# Altium PCB PCB1.PcbDoc (part 2 of 2)
Units mil, origin at the board's own origin, x right, y up, seen from the top; angles counter-clockwise.
Board outline 3140 x 3140 mil, 2 copper layers (Top Layer, Bottom Layer); 52 components, 59 nets, 367 pads, 222 vias.
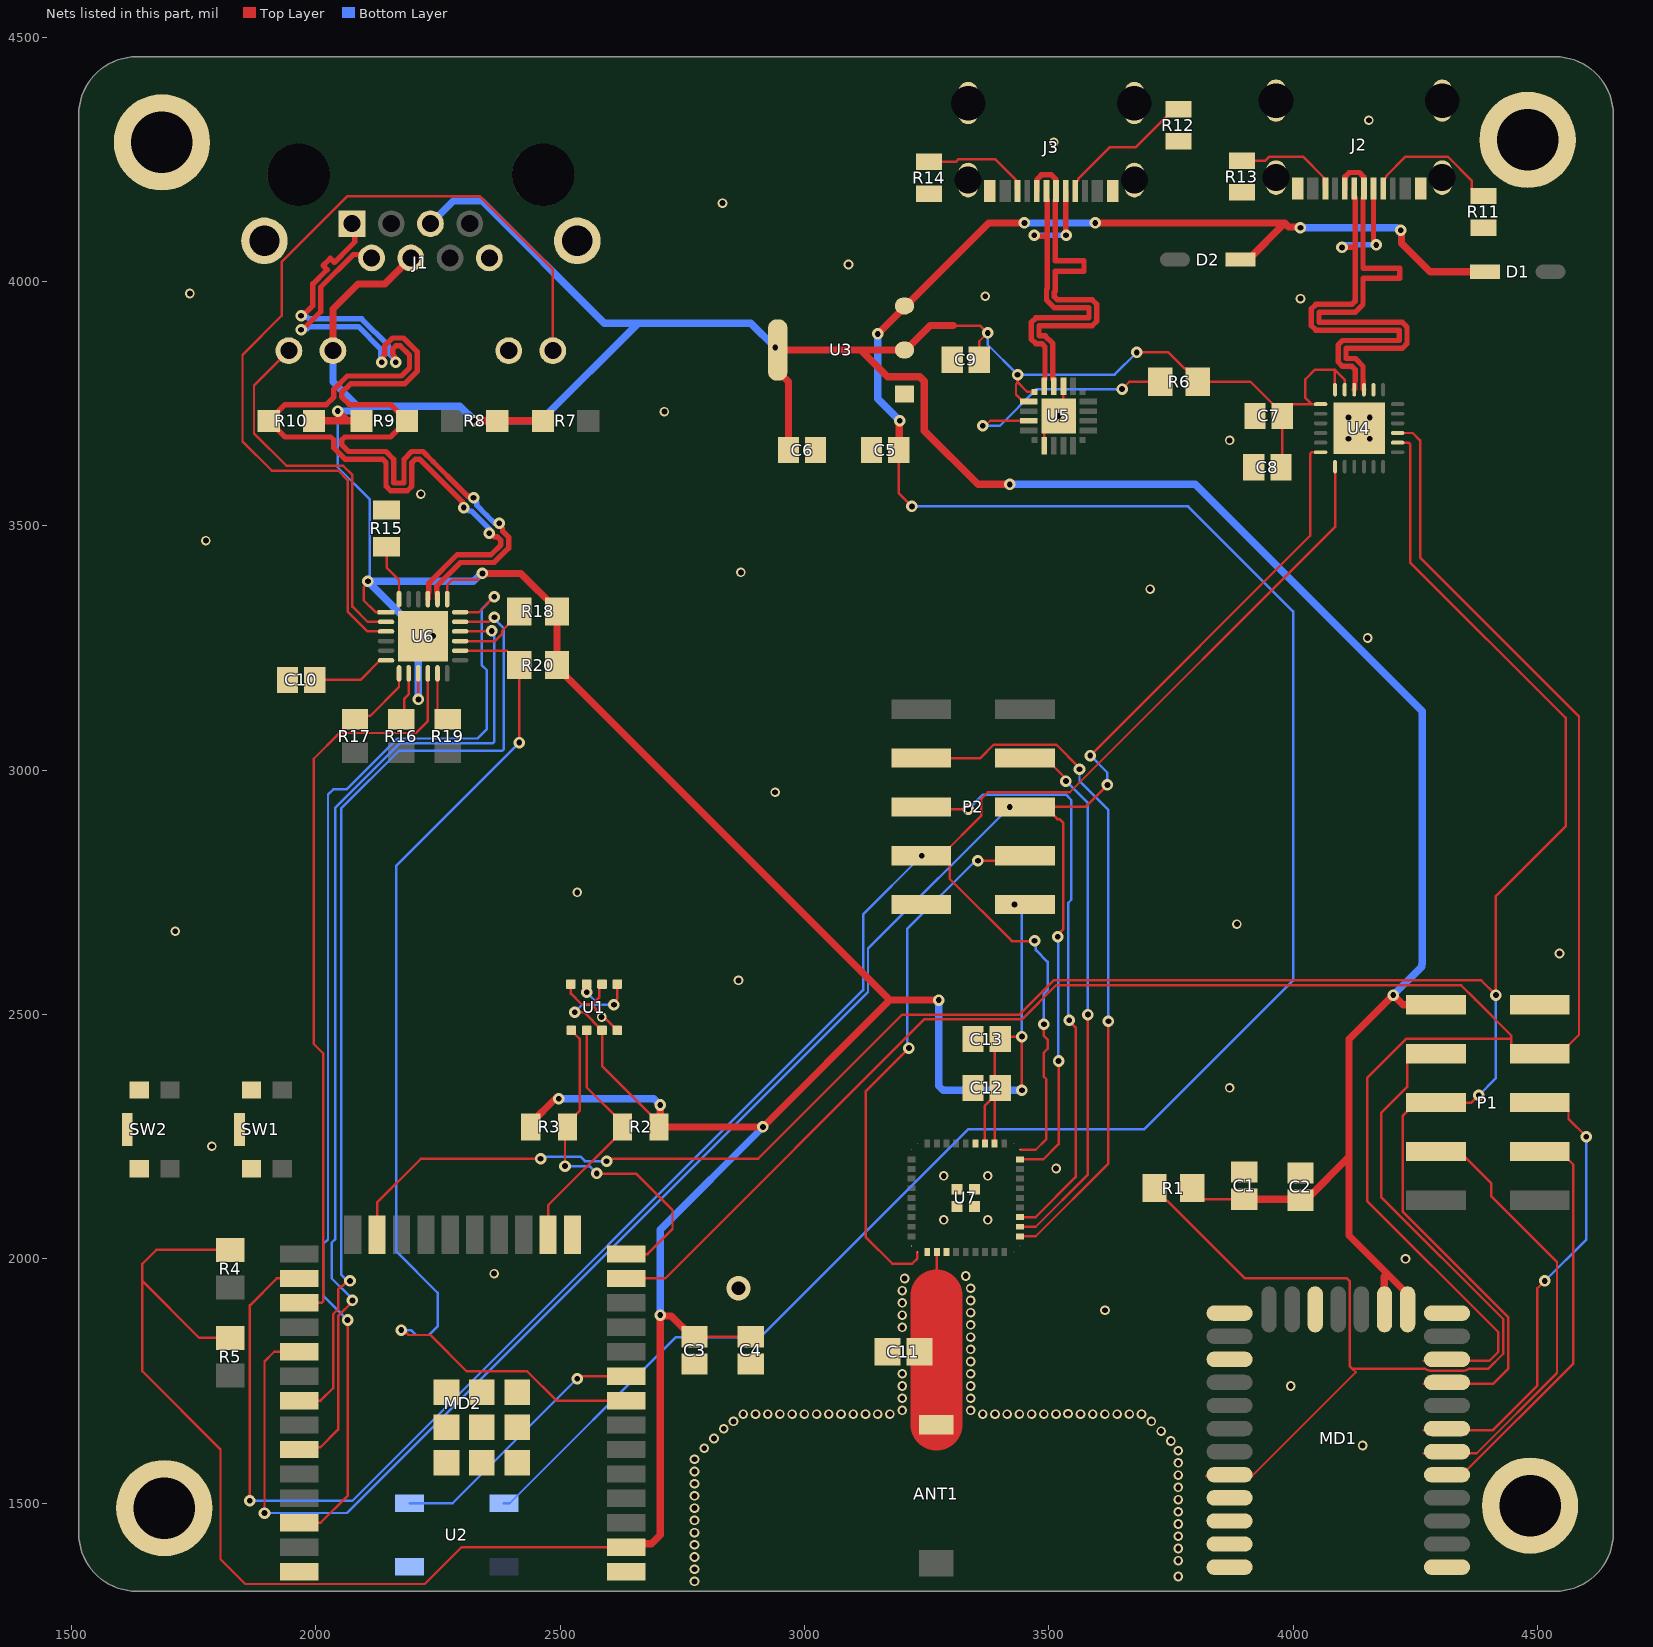
[diagram p2: the nets of this part, all layers, seen from the top]

## Via types
v1: diameter 19.68, hole 12, Top Layer to Bottom Layer, 116 vias
v2: diameter 23.62, hole 11.81, Top Layer to Bottom Layer, 105 vias
v3: diameter 50, hole 28, Top Layer to Bottom Layer, 1 vias

## Nets (pads, with @x,y where several pads share a name; then routed paths per layer and width w, separated by ;. In a path a pad name is that pad's centre, name@x,y a point inside that pad or via, vN(x,y) a via of type N, cw(c..) or ccw(c..) an arc to the next point about the centre after c; other vN are vias at no path point) (continued)
ETH_TXD0: MD2.31 U6.17 | length 2031.2
  Top Layer w5: MD2.31@1965.71,1710 2010,1710 2035.69,1735.69 2035.69,1887.14 2045.51,1896.96 2045.51,1938 2051.87,1944.37 2054.33,1944.37 2064.96,1955 v2(2070,1955) ; U6.17@2295.34,3303.72 2353.68,3303.72 2363.03,3313.07 v2(2365.61,3313.07)
  Bottom Layer w5: v2(2070,1955) 2065,1955 2051.89,1968.11 2051.89,2921.48 2170.41,3040 2382.07,3040 2385,3042.93 2385,3290 2365.61,3309.39 v2(2365.61,3313.07)
ETH_TXD1: MD2.36 U6.18 | length 2330.6
  Top Layer w5: MD2.36@1965.71,1460 2010,1460 2065,1515 v2(2065,1875) ; U6.18@2295.34,3323.4 2333.4,3323.4 v2(2365,3355)
  Bottom Layer w5: v2(2065,1875) 2015,1925 2015,2030 2025,2040 2025,2950 2035.69,2960.69 2062.82,2960.69 2167.13,3065 2330.93,3065 2350,3084.07 2350,3204.53 2340,3214.53 2340,3330 v2(2365,3355)
ETH_TXEN: MD2.33 U6.16 | length 2078.7
  Top Layer w5: MD2.33@1965.71,1610 1970.36,1614.65 2009.65,1614.65 2045.69,1650.69 2045.69,1883 2075,1912.31 v2(2075,1915) ; U6.16@2295.34,3284.03 2295.82,3284.52 2359.52,3284.52 v2(2360,3285)
  Bottom Layer w5: v2(2075,1915) 2075,1917.69 2032.58,1960.11 2032.58,2033.44 2040,2040.86 2040,2923.73 2171.27,3055 2362.07,3055 2365,3057.93 2365,3282.07 2362.07,3285 v2(2360,3285)
ETX_N: J1.2 R9.1 U6.20 | length 1877.9
  Top Layer w10.97: v2(1970,3901.38) 1972.91,3901.38 2010.09,3938.56 2010.09,3988.82 2076.82,4055.55 2107.05,4055.55 J1.2@2114.21,4048.39 ; v2(2135,3835) 2137.42,3837.42 2137.42,3847.18 2141.33,3851.08 2141.33,3868.76 2157.11,3884.54 2179.43,3884.54 2207.86,3856.11 2207.86,3816.68 2181.95,3790.76 2070.93,3790.76 2052.99,3772.81 2052.99,3763.72 2068.59,3748.12 2153.14,3748.12 R9.1@2186.26,3715 2153.14,3681.88 2059.41,3681.88 2052.99,3675.45 2052.99,3666.36 2067.21,3652.13 2090,3652.13 2143.72,3652.13 2159.51,3636.35 2159.51,3587.91 2180.48,3587.91 2180.48,3636.35 2196.26,3652.13 2219.48,3652.13 2240.32,3631.29 2295,3576.62 2310.81,3560.81 2314.28,3560.81 2317.31,3557.78 v2(2322.78,3557.78) ; U6.20@2249.06,3350 2248.28,3350.78 2248.28,3363.02 2247.2,3364.1 2247.2,3376.47 2295.77,3425.04 2365.1,3425.04 2394.68,3454.62 2394.68,3476.94 2382.18,3489.43 2382.18,3494.96 2375.28,3501.86 v2(2375.28,3505.28)
  Bottom Layer w10.97: v2(1970,3901.38) 1972.42,3903.8 1982.18,3903.8 1986.08,3907.7 2087.3,3907.7 2132.58,3862.42 2132.58,3837.42 v2(2135,3835) ; v2(2322.78,3557.78) 2322.78,3554.36 2329.68,3547.46 2329.68,3541.93 2349.88,3521.74 2366.34,3505.28 v2(2375.28,3505.28)
ETX_P: J1.1 R10.1 U6.21 | length 1878.2
  Top Layer w10.97: v2(1970,3930) 1973.24,3930 1994.12,3950.88 1994.12,3995.43 2019.34,4020.66 2023.22,4024.54 2014.91,4032.85 2029.74,4047.68 2038.05,4039.37 2069.55,4070.86 2079.76,4081.07 2079.76,4112.76 J1.1@2074.06,4118.46 ; v2(2163.62,3835) 2161.2,3837.42 2161.2,3847.18 2157.3,3851.08 2157.3,3862.14 2163.72,3868.57 2172.81,3868.57 2191.89,3849.49 2191.89,3823.29 2175.33,3806.73 2064.32,3806.73 2037.01,3779.43 2037.01,3763.72 2021.41,3748.12 1936.86,3748.12 R10.1@1903.74,3715 1936.86,3681.88 2030.59,3681.88 2037.01,3675.45 2037.01,3659.74 2060.6,3636.16 2090,3636.16 2137.11,3636.16 2143.54,3629.74 2143.54,3581.29 2152.89,3571.94 2187.09,3571.94 2196.45,3581.29 2196.45,3629.74 2202.88,3636.16 2212.87,3636.16 2233.71,3615.32 2295,3554.03 2299.51,3549.51 2299.51,3546.84 2302.96,3543.39 2302.96,3537.96 v2(2302.54,3537.54) ; U6.21@2229.37,3350 2230.15,3350.78 2230.15,3363.02 2231.23,3364.1 2231.23,3383.09 2289.15,3441.01 2358.48,3441.01 2378.7,3461.23 2378.7,3470.32 2370.89,3478.14 2365.37,3478.14 2358.46,3485.04 v2(2355.04,3485.04)
  Bottom Layer w10.97: v2(1970,3930) 1972.42,3927.58 1982.18,3927.58 1986.08,3923.68 2093.91,3923.68 2148.55,3869.04 2148.55,3853.49 2163.62,3838.42 v2(2163.62,3835) ; v2(2302.54,3537.54) 2305.96,3537.54 2312.87,3530.64 2318.39,3530.64 2333.9,3515.12 2355.04,3493.99 v2(2355.04,3485.04)
GND: C1.1 C2.1 C3.1 C4.1 C5.1 C6.2 C7.1 C8.1 C9.1 C10.1 C11.1 C12.1 C13.1 J1.8 J1.10 J1.13 J1.14 J2.1 J2.2 J2.3 J2.4 J2.A1-B12 J2.B1-A12 J3.1 J3.2 J3.3 J3.4 J3.A1-B12 J3.B1-A12 MD1.1 MD1.12 MD1.20 MD1.28 MD1.29 MD1.30 MD1.31 MD2.1 MD2.15 MD2.38 MD2.39 P1.2 P2.2 pad.1 R11.2 R12.2 R13.2 R14.2 R15.2 SW1.1 SW1.2 SW1.5 SW2.1 SW2.2 SW2.5 U1.1 U1.5 U1.7 U2.3 U3.1 U4.2 U4.25 U5.3 U5.12 U5.21 U6.25 U7.2 U7.4 U7.27 U7.44 U7.45 U7.46 U7.47 U7.48 | length 430.4
  Top Layer w5: U1.5@2521.97,2562.24 2521.97,2543.03 2543.92,2521.08 2563.92,2521.08 ; U1.7@2585.75,2562.24 2579.9,2556.4 2579.9,2534.76 2566.23,2521.08 2563.92,2521.08 ; U1.1@2617.24,2467.76 2592.81,2492.19 2587.81,2492.19 v1(2585,2495) 2585,2495.63 2573.05,2507.58 2573.05,2511.95 2563.92,2521.08 ; U5.12@3490.47,3663.98 3490.47,3695.47 v1(3520,3725) 3529.84,3734.84 U5.3@3529.84,3786.02 ; v1(4113.35,3678.35) U4.25@4135,3700 ; v1(4156.65,3678.35) U4.25@4135,3700 ; v1(4156.65,3721.65) U4.25@4135,3700
  other v1: 2775,1340 3765,1350 2775,1365 3764.82,1382.51 2775,1390 3764.82,1407.51 2775,1415 3764.82,1432.51 2775,1440 3764.82,1457.51 2775,1465 3764.82,1482.51 2775,1490 3764.82,1507.51 2775,1515 3764.82,1532.51 2775,1540 3764.82,1557.51 2775,1565 3764.82,1582.51 2775,1590 3764.82,1607.51 2794.82,1612.51 4142.17,1618.23 3749.82,1627.51 2814.82,1632.51 3729.82,1647.51 2834.82,1652.51 2854.82,1667.51 3709.82,1667.51 2874.82,1682.51 2899.82,1682.51 2924.82,1682.51 2949.82,1682.51 2974.82,1682.51 2999.82,1682.51 3024.82,1682.51 3049.82,1682.51 3074.82,1682.51 3099.82,1682.51 3124.82,1682.51 3149.82,1682.51 3174.82,1682.51 3364.82,1682.51 3389.82,1682.51 3414.82,1682.51 3439.82,1682.51 3464.82,1682.51 3489.82,1682.51 3514.82,1682.51 3539.18,1683.12 3564.82,1682.51 3589.82,1682.51 3614.82,1682.51 3639.82,1682.51 3664.82,1682.51 3689.82,1682.51 3200,1690 3340,1690 3200,1715 3340,1715 3200,1740 3340,1740 3995,1740 3200,1765 3340,1765 3340,1790 3340,1815 3340,1840 3200,1860 3340,1865 3200,1885 3340,1890 3615,1895 3200,1910 3340,1915 3200,1935 3340,1940 3205,1960 3330,1965 2365,1970 4230,2000 3285,2080 3375,2080 3285,2170 3375,2170 3515,2185 1787.33,2230.57 3870,2350 2865,2570 4545,2625 1712.33,2670.57 3885,2685 2535,2750 2940,2955 4152.33,3270.57 2240,3275 3707.33,3370.57 2870,3405 1775,3470 2215,3565 3870,3675 4113.35,3721.65 2713.42,3734 4015,3965 3370,3970 1742.33,3975.57 3090,4035 2832.33,4160.57 3510,4285 4155,4330
  other v3: 2865,1940
NetANT1_1: ANT1.1 C11.2 U7.3 | length 364.7
  Top Layer w5: ANT1.1@3270,1660.67 ANT1.1@3277.76,1668.43 ; 3270,1925 3270.93,1925.93 U7.3@3270.93,2014
  Top Layer w106.3: ANT1.1@3270,1660.67 3270,1925
NetC10_2: C10.2 U6.6 | length 162.5
  Top Layer w5: C10.2@1997.79,3185 2091.5,3185 2131.48,3224.98 U6.6@2143.72,3224.98
NetJ2_A5: J2.A5 R11.1 | length 287.7
  Top Layer w5: J2.A5@4184.21,4190.16 4184.21,4206.89 4190.49,4213.17 4190.49,4215.9 4230.32,4255.73 4316.34,4255.73 4365.93,4206.14 4365.93,4189.23 4380.16,4175 R11.1@4390,4175
NetJ2_B5: J2.B5 R13.1 | length 213.1
  Top Layer w5: R13.1@3895,4247.48 3943.5,4247.48 3951.75,4255.73 4020,4255.73 4062.7,4213.03 4062.7,4193.56 J2.B5@4066.1,4190.16
NetJ3_A5: J3.A5 R12.1 | length 291.5
  Top Layer w5: J3.A5@3554.21,4185.16 3554.21,4201.89 3560.49,4208.17 3560.49,4210.9 3624.17,4274.58 3677.25,4274.58 3755.16,4352.48 R12.1@3765,4352.48
NetJ3_B5: J3.B5 R14.1 | length 222.1
  Top Layer w5: R14.1@3255,4244.96 R14.1@3255,4244.96 3309.76,4245 3315.49,4250.73 3390,4250.73 3432.7,4208.03 3432.7,4188.56 J3.B5@3436.1,4185.16
NetMD2_9: MD2.9 U2.4 | length 551.8
  Top Layer w5: v2(2535,1755) 2535,1757.07 2537.93,1760 MD2.9@2635,1760
  Bottom Layer w5: U2.4@2192.09,1500 2280,1500 v2(2535,1755)
NetR6_1: R6.1 U5.9 | length 498.5
  Top Layer w5: v2(3365,3705) 3370.04,3705 3380.2,3715.16 U5.9@3458.98,3715.16 ; v2(3650,3780) 3665,3795 R6.1@3728.07,3795
  Bottom Layer w5: v2(3365,3705) 3400,3705 3475,3780 v2(3650,3780)
NetR15_1: R15.1 U6.24 | length 118
  Top Layer w5: R15.1@2145,3457.56 2145,3415 2170.31,3389.69 U6.24@2170.31,3350
NetR16_2: R16.2 U6.8 | length 100.1
  Top Layer w5: R16.2@2175,3104.53 2180.69,3110.22 2180.69,3145.69 2190,3155 U6.8@2190,3198.38
NetR17_2: R17.2 U6.7 | length 145.6
  Top Layer w5: R17.2@2080,3104.53 2086.86,3111.38 2111.38,3111.38 2170.31,3170.31 U6.7@2170.31,3198.38
NetR18_1: R18.1 U6.15 | length 152.6
  Top Layer w5: U6.15@2295.34,3264.35 2366.66,3264.35 2381.13,3278.82 2381.13,3285.58 2416.54,3320.98 R18.1@2416.54,3325
NetR19_2: R19.2 U6.11 | length 104.1
  Top Layer w5: U6.11@2249.06,3198.38 2249.06,3122.86 2267.38,3104.53 R19.2@2270,3104.53
PHY_INT: MD2.8 R20.2 U6.14 | length 2233.5
  Top Layer w5: v2(2175,1854.31) 2180.04,1854.31 2190.04,1844.31 2234.45,1844.31 2308.76,1770 2432.46,1770 2492.46,1710 MD2.8@2635,1710 ; U6.14@2295.34,3244.66 2390.89,3244.66 2416.54,3219.02 R20.2@2416.54,3215 v2(2416.54,3056.54)
  Bottom Layer w5: v2(2175,1854.31) 2195.05,1854.31 2205.05,1844.31 2231.62,1844.31 2249.31,1862 2249.31,1930.69 2165,2015 2165,2805 v2(2416.54,3056.54)
PHY_L1: J1.9 U6.3 | length 1851.9
  Top Layer w5: U6.3@2143.72,3284.03 2105.97,3284.03 2065,3325 2065,3594.09 2045.91,3613.18 1909.75,3613.18 1850,3672.93 1850,3850 1930,3930 1930,4039.74 2065.26,4175 2335,4175 2485.08,4024.92 J1.9@2485.08,3858.62
PHY_L2: J1.12 U6.2 | length 786.3
  Top Layer w5: J1.12@1944.92,3858.62 1873.6,3787.3 1873.6,3689.26 1939.68,3623.18 2055.91,3623.18 2075,3604.09 2075,3335 2106.28,3303.72 U6.2@2143.72,3303.72
PHY_RXER: MD2.27 U6.10 | length 1532.5
  Top Layer w5: MD2.27@1965.71,1910 2012.07,1910 2015,1912.93 2015,2420.86 1995.69,2440.17 1995.69,3023.55 2048.33,3076.2 2204.92,3076.2 2229.37,3100.65 U6.10@2229.37,3198.38
SCL: MD2.14 R3.1 U1.4 | length 709.8
  Top Layer w5: v2(2510,2190) 2510,2265 R3.1@2515,2270 2515,2277.91 2540,2302.91 2540,2450.51 U1.4@2522.76,2467.76 ; v2(2575,2175) 2576.15,2173.85 2656.15,2173.85 2730,2100 2730,2060.87 2679.13,2010 MD2.14@2635,2010
  Bottom Layer w5: v2(2510,2190) 2560,2190 v2(2575,2175)
SDA: MD2.16 R2.1 U1.3 | length 511.8
  Top Layer w5: MD2.16@2475.35,2049.37 2475.35,2109.88 2627.56,2262.09 R2.1@2627.56,2270 2627.56,2277.91 2554.25,2351.22 U1.3@2554.25,2467.76
USB_D_N: J3.A7 J3.B7 U5.5 | length 795.9
  Top Layer w10.97: v2(3470,4095) 3472.42,4092.58 3494.43,4092.58 3497.01,4090 ; U5.5@3490.47,3786.02 3490.47,3797.83 3492.33,3799.69 3492.33,3825 3492.33,3866.42 3485.9,3872.84 3473.37,3872.84 3464.01,3882.2 3464.01,3916.4 3473.37,3925.76 3582.33,3925.76 3582.33,3946.73 3511.07,3946.73 3495.29,3962.51 3495.29,3984.83 3497.01,3986.56 3497.01,3995 3497.01,4090 ; J3.A7@3495.16,4185.16 3495.16,4168.43 3497.01,4166.57 3497.01,4090 ; J3.B7@3534.53,4185.16 3534.53,4095.76 v2(3535.28,4095)
  Bottom Layer w10.97: v2(3470,4095) v2(3535.28,4095)
USB_D_P: J3.A6 J3.B6 U5.4 | length 823.9
  Top Layer w10.97: J3.B6@3475.47,4185.16 3475.89,4185.58 3475.89,4209.26 3484.91,4218.28 3505.41,4218.28 3514.42,4209.27 3514.42,4185.58 J3.A6@3514.84,4185.16 3514.84,4168.43 3512.99,4166.57 3512.99,4073.26 3512.99,4042.43 3572.12,4042.43 3572.12,4021.46 3512.99,4021.46 3512.99,3995 3512.99,3979.95 3511.26,3978.22 3511.26,3969.13 3517.69,3962.7 3588.94,3962.7 3598.3,3953.35 3598.3,3919.14 3588.94,3909.79 3479.98,3909.79 3479.98,3888.82 3492.52,3888.82 3508.3,3873.03 3508.3,3825 3508.3,3799.69 3510.16,3797.83 U5.4@3510.16,3786.02
USB_VB: C5.2 D1.1 D2.1 U2.1 U3.3 | length 5614.4
  Top Layer w5: C5.2@3192.79,3655 3192.79,3567.21 v2(3220,3540) ; D2.1@3863.78,4032.88 3875.9,4045 D2.1@3891.94,4045 ; D1.1@4377.01,4020 D1.1@4393.06,4020
  Top Layer w15: v2(3150,3892.83) 3377.17,4120 v2(3450,4120) ; C5.2@3192.79,3655 3193.89,3656.11 3193.89,3713.89 v2(3195,3715) ; v2(3595,4120) 3982.99,4120 ; D2.1@3891.94,4045 3907.99,4045 3982.99,4120 ; v2(4015,4110) 4013.35,4111.65 3991.34,4111.65 3982.99,4120 ; v2(4220,4105) 4221.65,4103.35 4221.65,4078.35 4280,4020 D1.1@4377.01,4020
  Bottom Layer w5: U2.1@2385,1500 2396.81,1500 2736.81,1840 2910,1840 3335,2265 3695,2265 4000,2570 4000,3325 3785,3540 v2(3220,3540)
  Bottom Layer w15: v2(3150,3892.83) 3150,3760 v2(3195,3715) ; v2(3450,4120) v2(3595,4120) ; v2(4015,4110) 4212.67,4110 4217.67,4105 v2(4220,4105)
USBB_D_N: J2.A7 J2.B7 U4.4 | length 1029.9
  Top Layer w10.97: v2(4100,4070) 4127.01,4070 ; U4.4@4125.16,3778.74 4126.71,3780.29 4126.71,3797.69 4127.01,3798 4127.01,3810 4127.01,3820.16 4120.59,3826.59 4101.45,3826.59 4092.1,3835.95 4092.1,3870.15 4101.45,3879.51 4217.01,3879.51 4217.01,3900.48 4046.37,3900.48 4037.01,3909.84 4037.01,3944.04 4046.37,3953.39 4120.59,3953.39 4127.01,3959.82 4127.01,3980 4127.01,4070 ; J2.A7@4125.16,4190.16 4125.16,4173.43 4127.01,4171.57 4127.01,4070 ; J2.B7@4164.53,4190.16 4164.53,4080.47 v2(4170,4075)
  Bottom Layer w10.97: v2(4100,4070) 4105,4075 v2(4170,4075)
USBB_D_P: J2.A6 J2.B6 U4.3 | length 1057.9
  Top Layer w10.97: J2.B6@4105.47,4190.16 4105.89,4190.58 4105.89,4214.26 4114.91,4223.28 4135.41,4223.28 4144.42,4214.27 4144.42,4190.58 J2.A6@4144.84,4190.16 4144.84,4173.43 4142.99,4171.57 4142.99,4045 4142.99,4027.43 4217.96,4027.43 4217.96,4006.46 4142.99,4006.46 4142.99,3980 4142.99,3953.21 4127.2,3937.42 4052.99,3937.42 4052.99,3916.45 4223.63,3916.45 4232.99,3907.09 4232.99,3872.89 4223.63,3863.54 4108.07,3863.54 4108.07,3842.56 4127.2,3842.56 4142.99,3826.78 4142.99,3810 4142.99,3798 4143.29,3797.69 4143.29,3780.29 U4.3@4144.84,3778.74
VCC: C1.2 C2.2 C3.2 C4.2 C6.1 C7.2 C8.2 C9.2 C12.2 C13.2 J1.4 J1.5 J1.11 MD1.13 MD1.14 MD2.2 P1.1 P2.1 R1.1 R2.2 R3.2 R4.2 R5.1 R6.2 R7.2 R8.2 R9.2 R10.2 R18.2 R20.1 U1.2 U1.6 U1.8 U3.2 U3.4 U4.5 U4.6 U4.7 U5.6 U5.7 U6.1 U6.9 U6.19 U7.25 U7.26 | length 15832.9
  Top Layer w5: R5.1@1825,1838.46 1761.54,1838.46 1645,1955 ; R4.2@1825,2018.46 1673.46,2018.46 1645,1990 1645,1955 ; v2(2106.66,3386.81) 2106.66,3382.99 2098.24,3374.57 2098.24,3347.43 2122.2,3323.47 2143.65,3323.47 U6.1@2143.72,3323.4 ; U6.9@2209.69,3198.38 2209.84,3198.23 2209.84,3145.16 v2(2210,3145) ; U6.19@2268.74,3350 2268.74,3378.74 2280,3390 2330,3390 2341.03,3401.03 v2(2341.03,3402.74) ; v2(2530,2505) 2548.5,2505 U1.2@2585.75,2467.76 2585.75,2394.6 R2.2@2702.44,2277.91 ; v2(2610,2520) 2610,2525.04 2617.24,2532.28 U1.8@2617.24,2562.24 ; MD2.2@2635,1410 2298.29,1410 2223.07,1334.78 1855.59,1334.78 1805,1385.37 1805,1610 1645,1770 1645,1955 ; C3.2@2775,1840.57 C4.2@2890,1840.57 ; 3305,3910 3359.15,3910 3374.15,3895 v2(3375,3895) 3357.79,3877.79 C9.2@3357.79,3840 ; 3369.37,2250 3369.37,2313.84 C12.2@3389.06,2333.53 ; U7.26@3369.38,2236 3369.38,2249.99 ; U7.25@3389.07,2236 C12.2@3389.06,2333.53 ; v2(3430,2725) P2.1@3430,2730 ; v2(3436.23,3809.52) 3436.23,3793.14 3432.92,3789.83 3432.92,3768.77 3447.16,3754.53 U5.7@3458.98,3754.53 ; 3436.86,3793.14 3455.79,3774.21 U5.6@3470.79,3774.21 ; v2(3445,2345) v2(3445,2455) 3405.57,2455 C13.2@3400.57,2450 3389.06,2438.48 C12.2@3389.06,2333.53 ; v2(3680,3855) 3745,3855 3778.72,3821.28 3782.73,3821.28 3805,3799.02 R6.2@3805,3795 3912.74,3795 C7.2@3977.79,3729.95 ; R1.1@3793.46,2145 3793.46,2144.48 3815.73,2122.21 C1.2@3900,2122.21 ; C8.2@3975,3620 3977.79,3622.79 C7.2@3977.79,3725 C7.2@3977.79,3729.95 ; U4.7@4056.26,3749.21 4037.55,3749.21 ; U4.6@4085.79,3778.74 4085.39,3779.13 4085.39,3819.61 4085,3820 4045,3820 4025,3800 4025,3761.76 4037.55,3749.21 ; 4085.79,3819.21 4105.47,3799.53 U4.5@4105.47,3778.74 ; C7.2@3977.79,3729.95 3997.03,3749.2 4001.98,3749.2 4037.55,3749.21
  Top Layer w15: R10.2@1996.26,3715 2065,3715 ; J1.11@2035.08,3858.62 2035.08,3943.82 2086.26,3995 2141.14,3995 J1.4@2194.53,4048.39 ; v2(2045,3735) 2065,3715 ; R9.2@2093.74,3715 2065,3715 ; v2(2325,3715) R8.2@2371.26,3715 R7.2@2465,3715 ; v2(2341.03,3402.74) 2419.74,3402.74 2493.46,3329.02 R20.1@2493.46,3215 2493.46,3210.98 3174.72,2529.72 ; R3.2@2440.13,2270 2440.13,2277.91 2491.54,2329.32 2495.68,2329.32 v2(2497.22,2327.78) ; MD2.2@2635,1410 2641.95,1416.95 2686.95,1416.95 2705,1435 v2(2705,1885) 2706.65,1883.35 2727.27,1883.35 2770.05,1840.57 C3.2@2775,1840.57 ; R2.2@2702.44,2270 v2(2915,2270) 3174.72,2529.72 ; R2.2@2705,2276.52 v2(2705,2315) ; C6.1@2967.21,3655 2967.21,3795.19 2945.28,3817.13 U3.4@2945.28,3860 3115,3860 ; v2(3275,2529.72) 3174.72,2529.72 ; 3305,3910 3257.33,3910 3207.33,3860 U3.2@3204.72,3860 3115,3860 ; v2(3420,3585) 3355,3585 3245,3695 3245,3796.21 3236.21,3805 3170,3805 3115,3860 ; C1.2@3900,2122.21 4027.76,2122.21 4114.43,2208.88 ; MD1.14@4186.93,1896.85 4186.73,1897.05 4186.73,1964.17 4198.34,1964.17 ; MD1.13@4234.17,1896.85 4234.17,1928.35 4198.34,1964.17 ; P1.1@4292.4,2520 4225,2520 v2(4205,2540) 4114.43,2449.43 4114.43,2208.88 ; 4114.43,2208.88 4114.43,2048.09 4198.34,1964.17
  Bottom Layer w5: v2(2045,3735) 2045,3620 2110,3555 v2@2110,3390.15 ; v2(2530,2505) 2545,2520 2580,2520 ; v2(2554.25,2545.75) 2580,2520 ; v2(2610,2520) 2580,2520 ; v2(3375,3895) 3375,3870.75 v2(3436.23,3809.52) 3634.52,3809.52 v2(3680,3855) ; v2(3430,2725) 3445,2710 v2(3445,2455)
  Bottom Layer w15: J1.11@2035.08,3858.62 2035.08,3794.92 2085,3745 ; v2(2045,3735) 2075,3735 2085,3745 ; v2(2106.66,3386.81) 2210,3283.47 v2(2210,3145) ; v2@2110.28,3386.81 2322.76,3386.81 2338.7,3402.74 v2(2341.03,3402.74) ; J1.5@2234.69,4118.46 2281.22,4165 2340,4165 2590,3915 2660,3915 ; v2(2497.22,2327.78) 2692.22,2327.78 v2(2705,2315) ; v2(2705,1885) 2705,2060 v2(2915,2270) ; v2(2940,3865) 2890,3915 2660,3915 ; v2(3275,2529.72) 3275,2353.79 3283.79,2345 v2(3445,2345) ; v2(3420,3585) 3800,3585 4264.52,3120.48 4264.52,2604.25 4262.87,2602.6 ; v2(4205,2540) 4262.87,2597.87 ; 2085,3745 2295,3745 v2(2325,3715) 2460,3715 2660,3915
ZB_CTS: MD1.17
ZB_RST: MD1.27 P1.3 R1.2 | length 2203.8
  Top Layer w5: R1.2@3716.54,2145 3716.54,2140.98 3738.8,2118.72 3742.82,2118.72 3901.54,1960 4110,1960 4115.49,1954.51 4115.49,1931.61 ccw(c4120.49,1931.67) 4115.52,1931.13 cw(c4092.44,1928.35) 4115.69,1928.35 4115.69,1865.35 cw(c4092.44,1865.35) 4115.52,1862.59 ccw(c4120.49,1862.03) 4115.49,1862.06 4115.49,1780.85 4121.34,1775 ; 3822.56,1555.2 3915.2,1555.2 4128.17,1768.17 4121.34,1775 ; P1.3@4292.4,2420 4251.06,2420 4233.88,2402.81 4233.88,2352.79 4180,2298.91 4180,2126.94 4430,1876.94 4430,1805.86 4399.14,1775 4359.05,1775 ; 4121.34,1775 4270.71,1775 ; 4270.71,1775 ccw(c4283.38,1794.49) 4283.38,1771.24 ; 4270.71,1775 ccw(c4283.38,1794.49) 4283.38,1771.24 ; 4283.38,1771.24 4346.38,1771.24 ; 4346.38,1771.24 ccw(c4346.38,1794.49) 4359.05,1775 ; 4346.38,1771.24 ccw(c4346.38,1794.49) 4349.67,1771.47 ccw(c4346.38,1794.49) 4359.05,1775
ZB_RTS: MD1.22
ZB_RX: MD1.10 MD2.13 P1.4 U4.21 | length 4847.7
  Top Layer w5: MD2.13@2635,1960 2715,1960 3245,2490 3445,2490 3515,2560 4343.72,2560 4372.86,2530.86 4372.86,2530.8 4446.48,2457.19 4446.48,2450.11 ; U4.21@4213.74,3690.16 4244.84,3690.16 4260,3675 4260,3435 4585,3110 4585,2458.66 4546.34,2420 P1.4@4505,2420 4463.66,2420 4446.48,2437.19 4446.48,2450.11 ; 4267.44,1791.42 4314.88,1791.42 4401.42,1791.42 4420,1810 4420,1850 4151.44,2118.56 4151.44,2370.36 4231.2,2450.11 4446.48,2450.11
ZB_SWCLK: MD1.5 P1.8 | length 839.5
  Top Layer w5: MD1.5@4314.88,1558.27 4345.6,1558.27 4573.52,1786.19 4573.52,2192.81 4546.34,2220 P1.8@4505,2220
ZB_SWDIO: MD1.6 P1.7 | length 890.8
  Top Layer w5: 4267.44,1602.44 4375.63,1602.44 4540,1766.81 4540,1993.68 4405,2128.68 4405,2155 P1.7@4330,2230
ZB_SWO: MD1.7 P1.6 | length 954.4
  Top Layer w5: 4267.44,1649.69 4408.73,1649.69 4500,1740.95 4500,1940 v2(4515,1955) ; P1.6@4505,2320 4546.34,2320 4563.52,2302.81 4563.52,2286.48 v2(4600,2250)
  Bottom Layer w5: v2(4515,1955) 4600,2040 v2(4600,2250)
ZB_TX: MD1.9 MD2.23 P1.5 U4.20 | length 5066
  Top Layer w5: MD2.23@2125.35,2027.72 MD2.23@2125.35,2049.37 2125.35,2115.35 2215,2205 v2(2460,2205) ; v2(2595,2200) 2600,2205 2905,2205 3200,2500 3440,2500 3510,2570 4385,2570 v2(4415,2540) 4415,2742.35 4557.67,2885.02 4557.67,3107.33 4239.53,3425.47 4239.53,3667.54 4236.6,3670.47 U4.20@4213.74,3670.47 ; P1.5@4240,2315 4240,2308.94 4223.88,2292.81 4223.88,2097.21 4440,1881.09 4440,1775 4409.17,1744.17 4267.44,1744.17 ; P1.5@4292.4,2320 4365,2320 v2(4380,2335)
  Bottom Layer w5: v2(2460,2205) 2464.31,2209.31 2541.33,2209.31 2550.64,2200 v2(2595,2200) ; v2(4380,2335) 4415,2370 v2(4415,2540)
ZW_RST: P2.3 U7.1 | length 1118.6
  Top Layer w5: v2(3213.65,2431.35) 3125,2342.69 3125,2045 3180,1990 3220.36,1990 3231.24,2000.88 U7.1@3231.24,2014 ; v2(3355,2815) 3441.3,2815 P2.3@3451.3,2825
  Bottom Layer w5: v2(3213.65,2431.35) 3210.09,2434.91 3210.09,2675.09 3350.43,2815.43 3354.57,2815.43 v2(3355,2815)
ZW_RX: MD2.26 P2.4 U4.13 U7.22 | length 4575.3
  Top Layer w5: v2(1865,1505) 1865,1905 1920,1960 MD2.26@1965.71,1960 ; v2(3240,2825) P2.4@3280.04,2825 ; 3443,2223.45 3454.98,2223.45 3473.25,2223.43 3495,2245.18 3495,2367.57 3490,2372.57 3490,2422.43 3497.65,2430.07 3497.65,2448.69 3490,2456.34 v2(3490,2480) ; v2(3471,2651.15) 3470.23,2650.39 3424.61,2650.39 3297.22,2777.78 3297.22,2807.81 P2.4@3280.04,2825 ; U4.13@4085.79,3621.26 4085.79,3497.8 3542.99,2955 3375,2955 3362.07,2942.07 3362.07,2907.03 P2.4@3280.04,2825
  Bottom Layer w5: v2(1865,1505) 2075,1505 3120,2550 3120,2705 v2(3240,2825) ; v2(3471,2651.15) 3473.72,2648.42 3473.72,2631.84 3497.65,2607.92 3497.65,2550.3 3490,2542.65 v2(3490,2480)
ZW_SWCLK: P2.8 U7.13 | length 1432
  Top Layer w5: P2.8@3238.7,3025 3359.98,3025 3387.17,3052.19 3515.43,3052.19 3562.84,3004.78 v2(3562.84,3002.16) ; U7.13@3441,2046.24 3454.98,2046.24 3473.25,2046.26 3622.09,2195.1 v2(3622.09,2486.53)
  Bottom Layer w5: v2(3562.84,3002.16) 3562.84,2977.84 3622.09,2918.59 v2(3622.09,2486.53)
ZW_SWDIO: P2.7 U7.14 | length 1113.1
  Top Layer w5: U7.14@3441,2065.93 3454.99,2065.93 3473.25,2065.94 3580,2172.7 v2(3580,2500) ; P2.7@3451.3,3025 3492.64,3025 3535,2982.64 v2(3535,2977.84)
  Bottom Layer w5: v2(3535,2977.84) 3580,2932.84 v2(3580,2500)
ZW_SWO: P2.6 U7.15 | length 1254.6
  Top Layer w5: P2.6@3238.7,2925 3243.7,2920 v2(3335,2920) ; U7.15@3441,2085.62 3454.99,2085.62 ; 3455,2085.63 3473.25,2085.63 3555,2167.38 3555,2473.91 3541.97,2486.94 v2(3541.97,2488.19)
  Bottom Layer w5: v2(3335,2920) 3365,2950 3535,2950 3546.06,2938.94 3546.06,2735.02 3540,2728.96 3540,2490.16 v2(3541.97,2488.19)
ZW_TX: MD2.29 P2.5 U4.12 U7.21 | length 4490.1
  Top Layer w5: v2(1895,1480) 1895,1790 1915,1810 MD2.29@1965.71,1810 ; v2(3420,2925) P2.5@3451.3,2925 P2.5@3492.64,2925 ; U7.21@3441,2203.76 3454.98,2203.76 3488.74,2203.74 3520,2235 v2(3520,2405) ; v2(3518.35,2659.31) 3518.35,2663.32 3530,2674.97 3530,2892.07 3522.13,2899.94 3517.69,2899.94 P2.5@3492.64,2925 ; v2(3585,3030) 4035,3480 4035,3647.86 4037.93,3650.79 U4.12@4056.26,3650.79 ; v2(3620,2970) 3575,2925 P2.5@3492.64,2925
  Bottom Layer w5: v2(1895,1480) 2064.14,1480 3130,2545.86 3130,2635 v2(3420,2925) ; v2(3518.35,2659.31) 3519.18,2658.48 3519.18,2405.82 v2(3520,2405) ; v2(3585,3030) 3620,2995 v2(3620,2970)
pads on no net: ANT1.2 J1. J1.7 J2.A8 J2.B8 J3.A8 J3.B8 MD1.2 MD1.3 MD1.4 MD1.8 MD1.11 MD1.15 MD1.16 MD1.18 MD1.19 MD1.21 MD1.23 MD1.24 MD1.25 MD1.26 MD2.4 MD2.5 MD2.6 MD2.7 MD2.17 MD2.18 MD2.19 MD2.20 MD2.21 MD2.22 MD2.24 MD2.32 P1.9 P1.10 P2.9 P2.10 U2.2 U4.1 U4.9 U4.10 U4.11 U4.14 U4.15 U4.16 U4.17 U4.18 U4.19 U4.22 U4.23 U4.24 U5.1 U5.2 U5.10 U5.11 U5.13 U5.14 U5.15 U5.16 U5.19 U5.20 U6.4 U7.5 U7.6 U7.7 U7.8 U7.9 U7.10 U7.11 U7.12 U7.16 U7.17 U7.18 U7.19 U7.20 U7.23 U7.24 U7.28 U7.29 U7.30 U7.31 U7.32 U7.33 U7.34 U7.35 U7.36 U7.37 U7.38 U7.39 U7.40 U7.41 U7.42 U7.43

## Polygon pours and split planes (outlines as drawn)
GND on Bottom Layer "GND_L02_P001" (solid, pour order 1): 1475,1260 1465,1270 1465,4515 4650,4515 4710,4455 4710,1275 3761.58,1275 3760,1273.42 3760,1600 3755,1600 3685,1670 2875,1670 2790,1585 2790,1300 1500,1300 1465,1265
GND on Top Layer "Top Layer-GND" (solid, pour order 0): 1495,4480 4685,4480 4685,1305 4680,1300 4670,1310 3750,1310 3750,1605 3685,1670 2875,1670 2790,1585 2790,1305 1500,1305 1460,1345 1460,4435

## Silkscreen, mask and mechanical layers (free items; w line width, h text height)
Top Overlay:
  drawing of 43 lines, arcs and shapes, not listed
  text "visit the tunnel under ocean blvd :)" at 2640,4200 h45
  text "ESP-HomeHub V1.2" at 3830,3010.55 h80
  text "Aiden Vigue" at 3830,2940.8 h80
  text "https://vigue.me" at 3830,2870.8 h80
  text "RST" at 1625,2395.44 h60
  text "BOOT" at 1840,2395.44 h60
  text "20dBm!" at 3365,1710 h90
  text "JLCJLCJLCJLC" at 2470,1374.61 h60 r180
Mechanical 1:
  lines w0: 1515,1438.11 ccw(c1633.11,1438.11) 1633.11,1320 4536.89,1320 ccw(c4536.89,1438.11) 4655,1438.11 4655,4341.89 ccw(c4536.89,4341.89) 4536.89,4460 1633.11,4460 ccw(c1633.11,4341.89) 1515,4341.89 1515,1438.11 ; 2475,2420 2475,2610 2670,2610 2670,2420 2620,2420 2620,2440 2650,2440 2650,2590 2495,2590 2495,2440 2520,2440 2520,2420 2475,2420

## Text inside footprints (layer, text, board x,y; h text height)
P1: Top Overlay "10" at 4516.81,2079.45 h25 r270; Top Overlay "9" at 4241.22,2079.45 h25 r270; Top Overlay "1" at 4241.22,2572.36 h25 r270; Top Overlay "2" at 4516.81,2584.17 h25 r270
P2: Top Overlay "10" at 3226.89,3165.55 h40 r90; Top Overlay "9" at 3502.48,3165.55 h40 r90; Top Overlay "1" at 3502.48,2672.64 h40 r90; Top Overlay "2" at 3226.89,2660.83 h40 r90
U7: Top 3D Body "*" at 3256.55,2034.5 h50 r90